# KiCad board All_Bloks_of_project.kicad_pcb (continued)
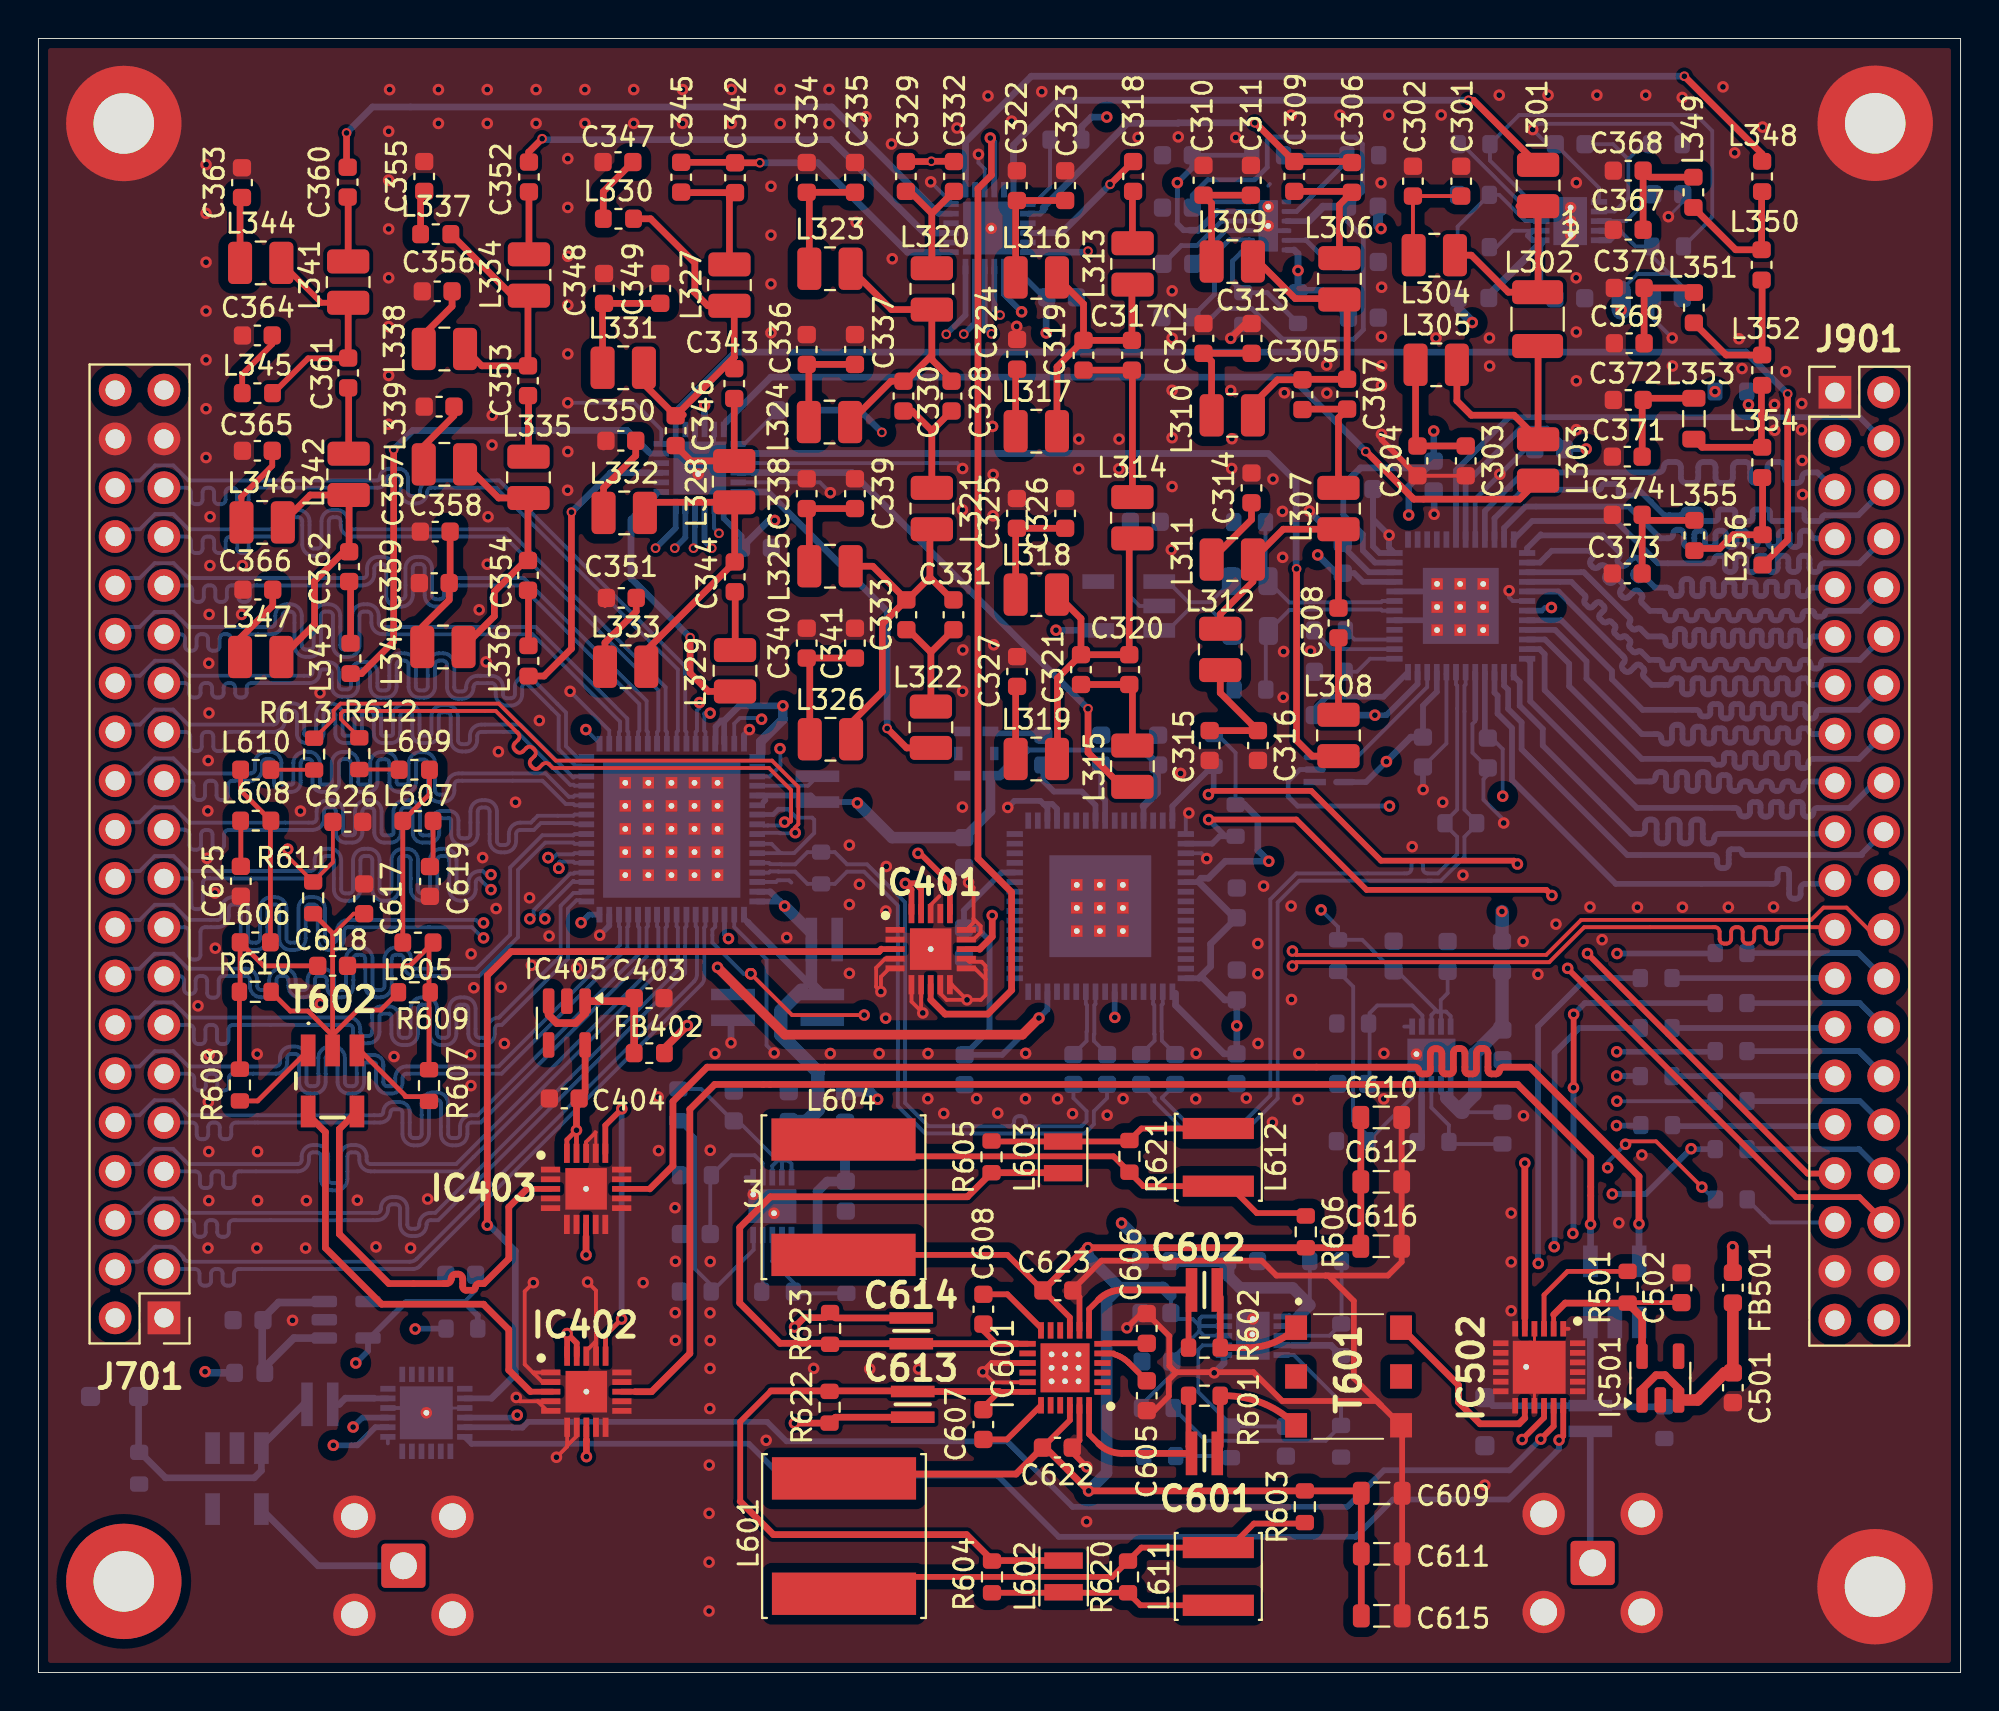
[diagram p0: board, top side]
## Copper pours and planes (outline as drawn; the poured copper is in the pictures) (continued)
+1.8V_ADC on Bottom: 66.49,38.79 66.49,37.79 66.9,37.38 68.65,37.38 69.13,36.9 69.13,36.24 70.27,35.1 71.99,35.1 72.59,34.5 73.52,34.5 74.13,35.11 74.13,36.51 73.55,37.09 70.08,37.09 68.84,38.33 68.84,39.55 68.45,39.94 66.83,39.94 66.49,39.6 66.49,38.8
+3.3V_ADC on Bottom: 35.11,29.36 35.11,28.26 36.03,27.33 37.58,27.33 37.61,27.36 38.38,26.58 40.55,26.58 40.8,26.83 40.8,28.86 40.26,29.41 35.16,29.41
+3.3V_DAC on Bottom: 83.32,75.71 83.27,73.49 86.97,73.46 86.99,72.93 87.03,70.61 81.56,70.61 81.56,75.64 82.08,75.66
+5V on In3.Cu: -11.02,92.01 -11.02,-9.49 120.98,-9.49 120.98,91.01
+5V_B6 on Bottom: 60.97,19.21 60.97,17.4 60.07,17.4 60.06,17.41 59.73,17.08 59.73,15.95 59.35,15.57 58.66,15.57 58.31,15.92 58.31,19.51 58.62,19.82 60.39,19.82 60.39,19.79
GND on Top, Bottom, In1.Cu, In4.Cu: -8.02,89.01 -8.02,-6.99 117.48,-6.99 117.48,89.01
